# KiCad board q2v2.kicad_pcb (continued)
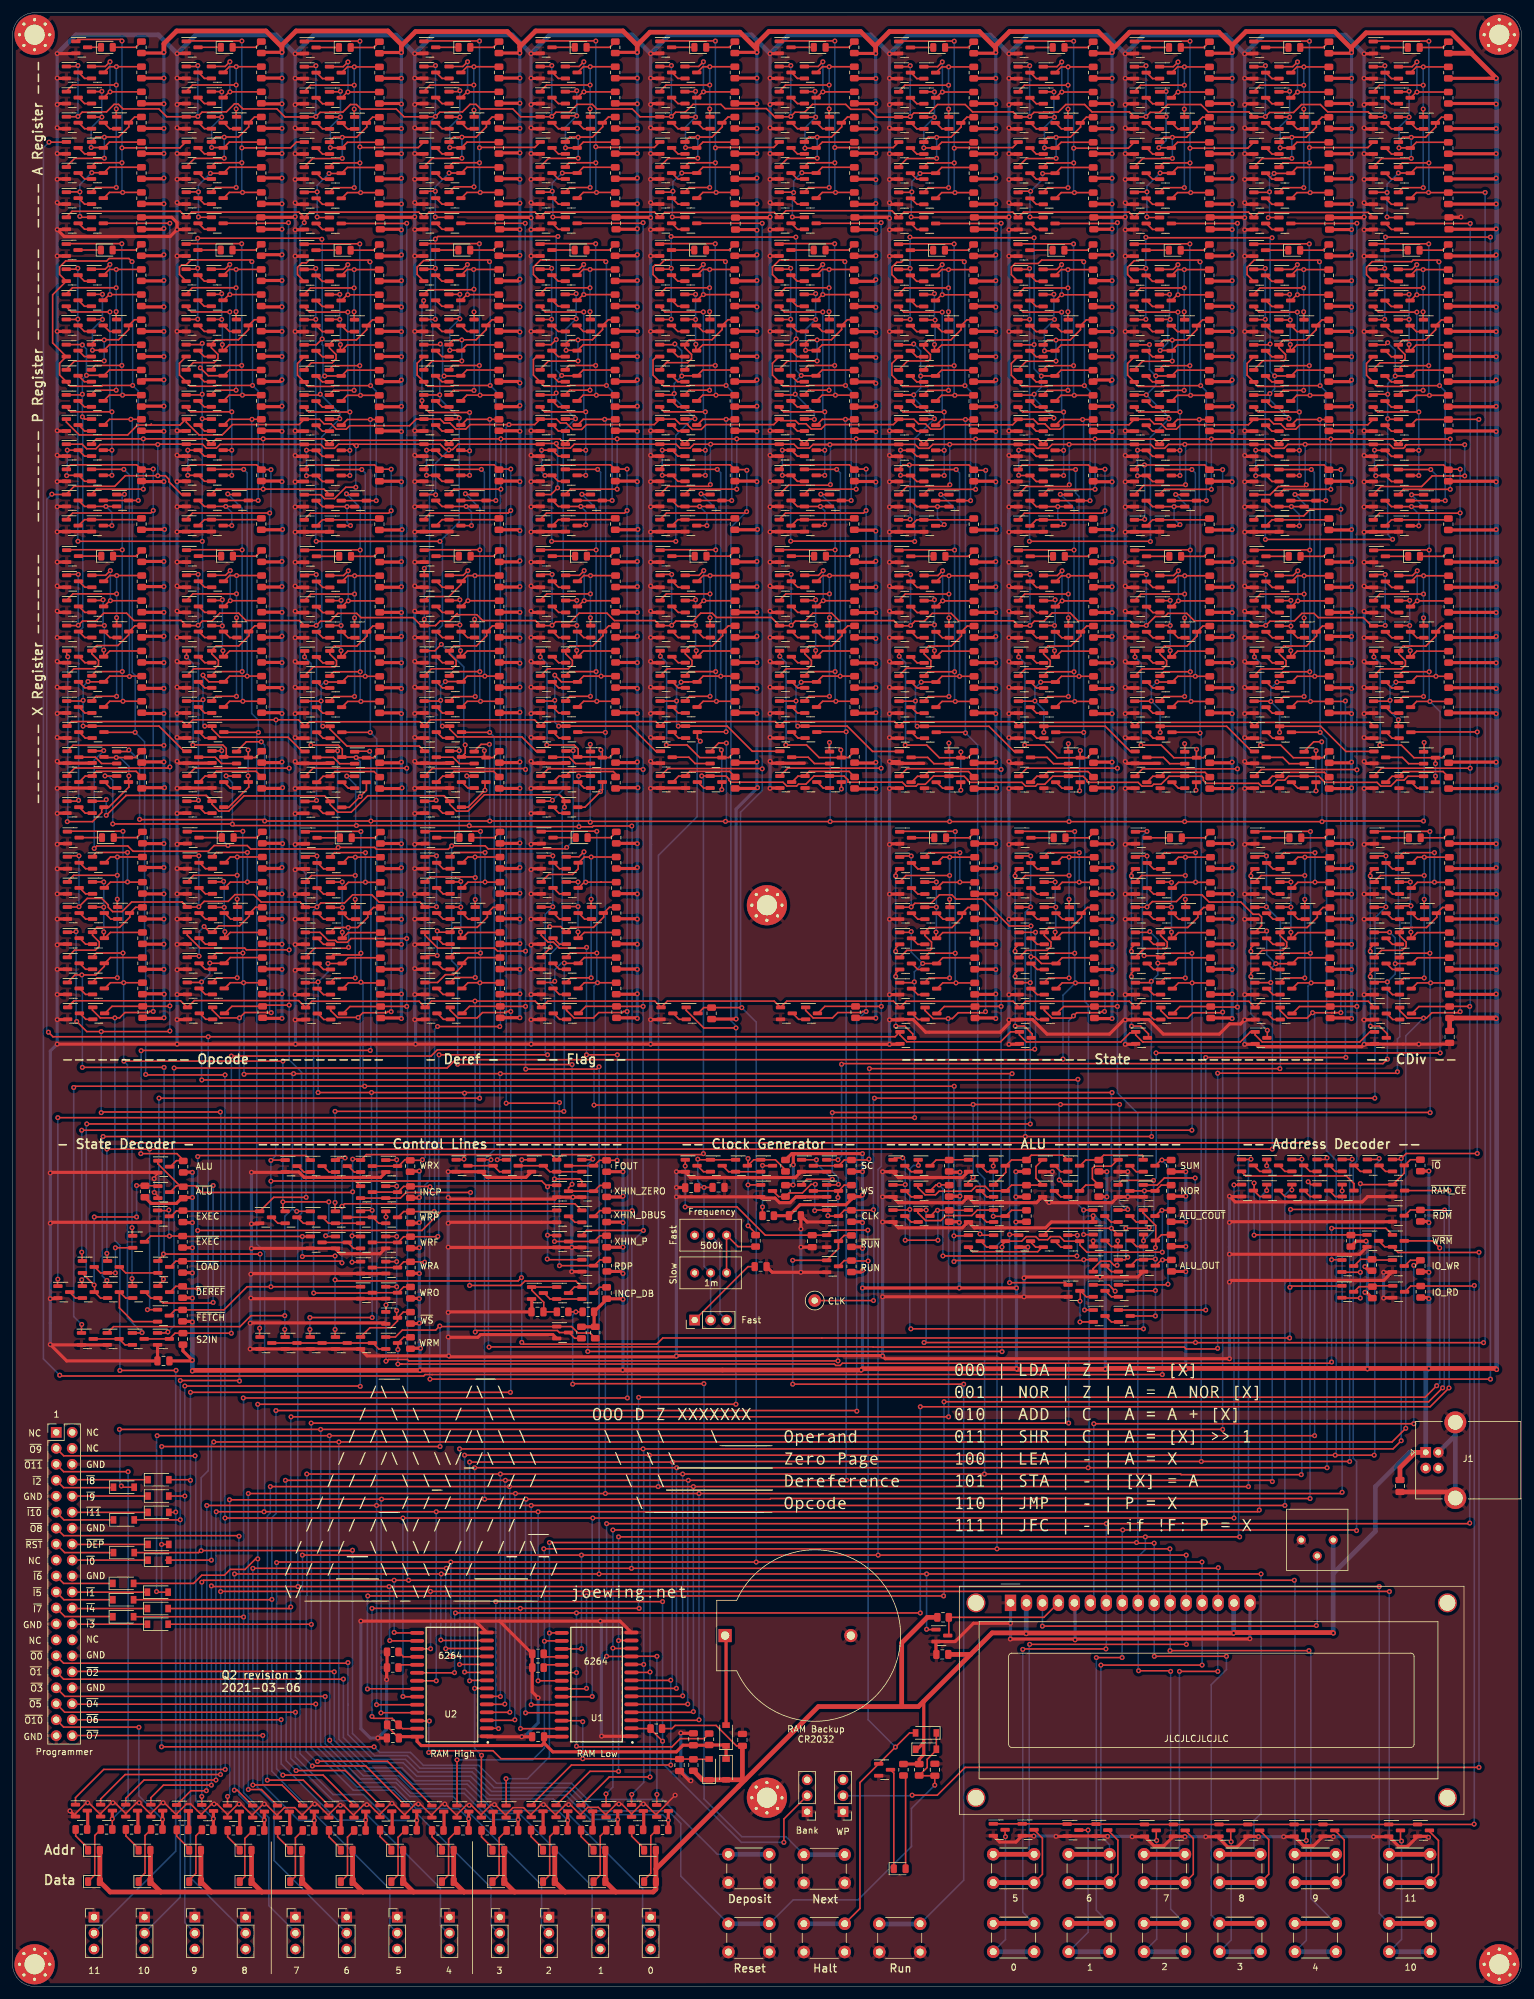
[diagram p0: board, top side]
## Routing (per net, layer and track width the routed paths; a pad name or vN(x,y) marks a point on that pad's centre or on a via; arc(x,y) is an arc through that point) (continued)
RDX_ABUS: length 405.6
  Top w0.25: 27.67,200.53 28.67,201.53 v1(41.9,201.53) 45.48,201.53 Q365.1 47.24,201.22 64.84,201.22 65.54,200.52 ; Q129.1 41.15,131.48 v1(41.1,131.43) ; 90.62,115.63 85.15,115.63 v1(85.05,115.73) ; Q84.3 25.85,107.64 33.61,107.64 37.3,111.33 v1(41.1,111.33) Q104.1 ; 65.47,200.52 66.47,201.52 83.04,201.52 84.04,200.52 84.76,201.25 102.34,201.25 103.06,200.52 103.79,201.25 121.34,201.25 122.06,200.52 122.79,201.25 140.31,201.25 Q273.1 141.79,201.22 159.34,201.22 Q446.1 160.69,201.12 177.94,201.12 Q645.1 179.19,201.12 196.94,201.12 Q825.1 198.19,201.12 215.94,201.12 Q942.1 ; 54.54,128.15 Q109.1 ; v1(85.1,119.53) 86.45,119.53 ; v1(41.1,128.13) 41.12,128.15 84.18,128.15 v1(85.1,127.23) 85.35,127.48 Q99.1 ; Q192.1 27.01,201.25 9.39,201.25 Q50.1
  Bottom w0.25: v1(41.9,201.53) 41.87,201.49 41.87,132.19 v1(41.1,131.43) v1(41.1,128.13) v1(41.1,111.33) ; v1(85.05,115.73) 85.1,115.78 v1(85.1,119.53) v1(85.1,127.23)
S0: length 281.4
  Top w0.25: 197.64,183.78 206.43,183.78 v1(206.46,183.76) ; 203.56,158.76 204.47,159.67 v1(206.57,159.67) R363.2 ; 201.56,163.71 202.25,164.39 v1(206.46,164.39) ; 19.05,119.43 19.05,120.68 v1(19,120.73) ; 19.05,111.43 19.05,112.58 v1(19,112.63) ; v1(19,134.23) v1(206.1,134.23)
  Bottom w0.25: v1(206.46,183.76) v1(206.46,164.39) 206.46,159.78 v1(206.57,159.67) 206.08,159.18 206.08,134.25 v1(206.1,134.23) ; v1(19,112.63) v1(19,120.73) v1(19,134.23)
S1: length 262
  Top w0.25: 182.56,163.71 182.27,164 v1(180,164) ; 184.56,158.76 185.47,159.67 v1(187.64,159.67) R280.2 ; v1(187.6,164.39) 183.31,164.39 Q666.1 ; v1(11,136.23) v1(187.6,136.23) ; 178.64,183.78 v1(180.46,183.78) ; v1(11,116.83) 11.05,116.78 11.05,115.43
  Bottom w0.25: v1(180.46,183.78) 179.73,183.06 179.73,164.26 v1(180,164) 180.05,163.95 ; v1(187.6,136.23) 187.64,136.27 v1(187.64,159.67) 187.64,164.35 v1(187.6,164.39) ; v1(11,116.83) v1(11,136.23)
S2: length 243.6
  Top w0.25: R199.2 v1(169.07,159.67) 166.97,159.67 166.06,158.76 ; 164.06,163.71 164.75,164.39 v1(168.96,164.39) ; 160.14,183.78 168.93,183.78 v1(168.96,183.76) ; v1(25.7,146.13) 69.13,146.13 70.45,147.45 167,147.45 v1(167.1,147.55) ; v1(24.7,104.13) 24.55,103.98 Q94.1
  Bottom w0.25: v1(168.96,183.76) v1(168.96,164.39) 168.96,159.78 v1(169.07,159.67) 167.1,157.7 v1(167.1,147.55) ; v1(24.7,104.13) 25.69,105.11 25.69,146.11 v1(25.7,146.13)
S2IN: length 207.9
  Top w0.25: v1(162.72,167.73) 162.71,167.71 Q475.1 ; v1(34.8,103.93) 34.79,103.94 R42.2 25.85,103.94 Q94.3 Q93.3 ; v1(162.6,149.13) 162.5,149.03 67.58,149.03 66.58,148.03 v1(34.8,148.03)
  Bottom w0.25: v1(34.8,103.93) v1(34.8,148.03) ; v1(162.6,149.13) 162.73,149.25 162.73,167.73 v1(162.72,167.73)
SC: length 127.5
  Top w0.25: v1(199.46,171.76) 199.41,171.71 197.56,171.71 ; v1(199.46,179.86) 197.71,179.86 ; v1(136.3,146.03) v1(201.6,146.03) ; v1(136.22,131.63) 136.09,131.49 R128.2 132.3,131.49 Q304.3 ; 127.45,130.58 131.45,130.58
  Bottom w0.25: v1(199.46,179.86) v1(199.46,171.76) 201.68,169.54 201.68,146.1 v1(201.6,146.03) ; v1(136.3,146.03) 136.3,131.7 v1(136.22,131.63)
WRA: length 542.4
  Top w0.25: 197.4,297.45 199.25,297.45 v1(199.3,297.5) 199.96,298.15 203.78,298.15 205.05,299.42 208.04,299.42 209.21,298.25 215.66,298.25 Q934.1 ; 178.4,297.45 180.25,297.45 v1(180.3,297.5) 180.97,298.17 182.46,298.17 182.51,298.22 182.55,298.22 183.75,299.42 189.04,299.42 190.21,298.25 196.66,298.25 Q817.1 ; 159.9,297.45 161.75,297.45 v1(161.8,297.5) 162.47,298.17 163.96,298.17 164.01,298.22 166.35,298.22 167.55,299.42 170.54,299.42 171.71,298.25 177.66,298.25 Q637.1 ; 216.4,297.45 218.25,297.45 v1(218.3,297.5) ; 121.9,297.47 123.75,297.47 v1(123.8,297.52) 124.47,298.2 125.96,298.2 126.01,298.25 126.05,298.25 127.25,299.45 132.54,299.45 133.32,298.66 136.19,298.66 137.44,297.41 142.34,297.41 ; 140.9,297.45 142.75,297.45 v1(142.8,297.5) 143.38,298.07 145.8,298.07 147.15,299.42 151.54,299.42 152.71,298.25 159.16,298.25 Q438.1 ; v1(218.3,305.6) 218.15,305.45 216.4,305.45 ; v1(10.4,305.63) 10.25,305.48 8.5,305.48 ; 197.4,305.45 199.15,305.45 v1(199.3,305.6) ; v1(65.55,115.23) 65.49,115.29 R51.2 62.21,115.29 61.3,114.38 57.3,114.38 ; v1(123.8,305.62) 123.65,305.47 121.9,305.47 ; v1(142.8,305.6) 142.65,305.45 140.9,305.45 ; 46.35,305.45 48.1,305.45 v1(48.25,305.6) ; 65.38,305.47 67.12,305.47 v1(67.28,305.62) ; v1(180.3,305.6) 180.15,305.45 178.4,305.45 ; Q1051.1 121.22,297.47 119.93,298.77 113.36,298.77 112.68,299.45 108.25,299.45 107.05,298.25 107.01,298.25 106.96,298.2 105.47,298.2 v1(104.8,297.52) 104.75,297.47 99.82,297.47 98.57,298.72 92.95,298.72 92.22,299.45 89.83,299.45 88.58,298.2 86.45,298.2 v1(85.78,297.52) 85.72,297.47 80.82,297.47 79.57,298.72 74.45,298.72 73.72,299.45 72.77,299.45 71.57,298.25 69.49,298.25 69.44,298.2 67.95,298.2 v1(67.28,297.52) 67.22,297.47 62.28,297.47 61.05,298.7 55.42,298.7 54.7,299.42 53.74,299.42 52.54,298.22 50.46,298.22 50.41,298.17 48.92,298.17 v1(48.25,297.5) 48.2,297.45 43.33,297.45 42.05,298.73 36.64,298.73 35.84,299.53 35.3,299.53 34.02,298.25 31.68,298.25 31.63,298.2 30.14,298.2 v1(29.47,297.53) 29.42,297.48 24.52,297.48 23.27,298.73 17.57,298.73 16.85,299.45 16.15,299.45 14.95,298.25 12.61,298.25 12.56,298.2 11.07,298.2 v1(10.4,297.53) 10.35,297.48 8.5,297.48 ; 27.57,305.48 29.32,305.48 v1(29.47,305.63) ; v1(85.78,305.62) 85.62,305.47 83.88,305.47 ; v1(161.8,305.6) 161.65,305.45 159.9,305.45 ; 102.9,305.47 104.65,305.47 v1(104.8,305.62)
  Bottom w0.25: v1(29.47,297.53) v1(29.47,305.63) ; v1(85.78,297.52) v1(85.78,305.62) ; v1(67.28,305.62) v1(67.28,297.52) 66.5,296.75 66.5,264.95 66.85,264.6 66.85,237.95 66.33,237.42 66.33,128.22 65.55,127.45 v1(65.55,115.23) ; v1(48.25,297.5) v1(48.25,305.6) ; v1(218.3,297.5) v1(218.3,305.6) ; v1(199.3,297.5) v1(199.3,305.6) ; v1(123.8,297.52) v1(123.8,305.62) ; v1(104.8,297.52) v1(104.8,305.62) ; v1(142.8,297.5) v1(142.8,305.6) ; v1(180.3,297.5) v1(180.3,305.6) ; v1(161.8,297.5) v1(161.8,305.6) ; v1(10.4,297.53) v1(10.4,305.63)
WRF: length 93
  Top w0.25: v1(85.94,171.78) 85.88,171.73 84.04,171.73 ; v1(85.94,179.88) 84.19,179.88 ; 57.3,118.38 61.3,118.38 62.21,119.29 R49.2 67.61,119.29 v1(67.65,119.33) ; v1(85.1,148.23) v1(67.85,148.23)
  Bottom w0.25: v1(85.94,179.88) v1(85.94,171.78) 84.72,170.57 84.72,148.6 v1(85.1,148.23) ; v1(67.65,119.33) 67.79,119.46 67.79,148.16 v1(67.85,148.23)
WRM: length 187.8
  Top w0.25: v1(61.3,99.03) 61.9,99.03 ; 61.9,99.03 61.57,99.03 ; 61.9,99.03 130.73,99.03 130.95,98.8 131.65,98.8 132,99.15 209.63,99.15 v1(209.82,99.35) ; v1(61.3,101.33) 61.3,102.38 62.21,103.29 R59.2 ; v1(209.83,120.63) 218.46,120.63 Q683.1 ; v1(209.82,115.63) 211.35,115.63
  Bottom w0.25: v1(61.3,101.33) v1(61.3,99.03) ; v1(209.83,120.63) 209.82,120.63 v1(209.82,115.63) v1(209.82,99.35)
WRO: length 182.8
  Top w0.25: 8.66,171.74 10.51,171.74 v1(10.56,171.79) 11.88,173.11 14.19,173.11 15.23,172.07 15.23,171.7 15.92,171.01 17.41,171.01 18.94,172.54 26.99,172.54 Q221.1 ; v1(10.56,179.89) 8.81,179.89 ; v1(29.63,179.89) 27.88,179.89 ; v1(67.44,171.78) 67.38,171.73 65.54,171.73 ; v1(67.44,179.88) 65.69,179.88 ; 46.51,171.71 48.36,171.71 v1(48.41,171.76) 49.04,172.38 52.8,172.38 54.1,173.68 57.15,173.68 58.32,172.51 64.82,172.51 Q593.1 ; v1(48.41,179.86) 46.66,179.86 ; 55.15,110.38 55.1,110.33 ; Q394.1 45.74,172.54 39.54,172.54 38.37,173.71 35.38,173.71 34.31,172.64 30.48,172.64 v1(29.63,171.79) 29.58,171.74 27.73,171.74 26.93,172.54 ; R39.2 62.21,111.29 61.3,110.38 57.3,110.38 ; v1(47.9,110.33) 57.19,110.33
  Bottom w0.25: v1(10.56,171.79) v1(10.56,179.89) ; v1(29.63,171.79) v1(29.63,179.89) ; v1(67.44,171.78) v1(67.44,179.88) ; v1(48.41,179.86) v1(48.41,171.76) 47.87,171.22 47.87,110.35 v1(47.9,110.33)
WRX: length 441.4
  Top w0.25: 8.55,216.52 10.4,216.52 v1(10.45,216.57) 11.12,217.24 13.25,217.24 14.5,218.49 18.13,218.49 19.3,217.33 26.81,217.33 27.62,216.52 29.47,216.52 v1(29.52,216.57) 30.19,217.24 31.72,217.24 32.97,218.49 35.97,218.49 37.14,217.32 45.63,217.32 Q380.1 ; v1(10.45,224.67) 8.7,224.67 ; v1(29.52,224.67) 27.77,224.67 ; v1(85.82,224.66) 84.07,224.66 ; 46.4,216.49 48.25,216.49 v1(48.3,216.54) 48.97,217.21 50.47,217.21 ; v1(48.3,224.64) 46.55,224.64 ; 50.47,217.21 50.52,217.26 ; 50.47,217.21 50.5,217.21 51.75,218.46 54.75,218.46 55.42,217.79 63.73,217.79 65.01,216.51 ; 216.45,216.49 218.3,216.49 v1(218.35,216.54) ; v1(218.35,224.64) 216.6,224.64 ; v1(123.85,224.66) 122.1,224.66 ; 121.95,216.51 123.8,216.51 v1(123.85,216.56) 124.52,217.24 126.05,217.24 127.3,218.49 130.3,218.49 131.47,217.31 140.19,217.31 Q286.1 ; v1(104.85,224.66) 103.1,224.66 ; 102.95,216.51 104.8,216.51 v1(104.85,216.56) 105.52,217.24 108.21,217.24 109.46,218.49 111.3,218.49 111.97,217.81 120.71,217.81 Q1072.1 ; 159.95,216.49 161.8,216.49 v1(161.85,216.54) 162.54,217.23 164.06,217.23 165.36,218.53 168.23,218.53 169.47,217.29 177.71,217.29 Q658.1 ; 197.45,216.49 199.3,216.49 v1(199.35,216.54) 200.02,217.21 201.52,217.21 201.57,217.26 203.9,217.26 205.1,218.46 207.03,218.46 207.71,217.79 214.88,217.79 216.18,216.49 ; 140.95,216.49 142.8,216.49 v1(142.85,216.54) 143.52,217.21 145.05,217.21 146.3,218.46 149.3,218.46 150.47,217.29 159.21,217.29 Q459.1 ; v1(199.35,224.64) 197.6,224.64 ; 178.45,216.49 180.3,216.49 v1(180.35,216.54) 181.77,217.96 183.3,217.96 183.8,218.46 186.8,218.46 187.97,217.29 196.71,217.29 Q838.1 ; v1(161.85,224.64) 160.1,224.64 ; v1(142.85,224.64) 141.1,224.64 ; v1(180.35,224.64) 178.6,224.64 ; v1(65.2,131.53) 65.11,131.44 R55.2 ; 65.42,216.51 67.27,216.51 68,217.24 69.52,217.24 70.74,218.45 ; 57.4,130.53 61.4,130.53 62.41,131.54 63.3,131.54 ; 145.02,217.21 145.16,217.35 ; 107.02,217.24 107.07,217.29 ; 83.93,216.51 85.77,216.51 v1(85.82,216.56) 86.4,217.14 88.77,217.14 90.12,218.49 94.56,218.49 95.74,217.31 102.21,217.31 Q1008.1 ; v1(65.5,225.63) 65.5,224.52 ; 126.02,217.24 126.07,217.29 ; Q579.1 65.49,217.51 v1(65.5,217.53) ; Q759.1 83.19,217.31 74.79,217.31 73.85,218.25 70.54,218.25 ; 31.68,217.24 31.73,217.29
  Bottom w0.25: v1(10.45,216.57) v1(10.45,224.67) ; v1(29.52,216.57) v1(29.52,224.67) ; v1(85.82,216.56) v1(85.82,224.66) ; v1(48.3,216.54) v1(48.3,224.64) ; v1(142.85,216.54) v1(142.85,224.64) ; v1(161.85,216.54) v1(161.85,224.64) ; v1(199.35,216.54) v1(199.35,224.64) ; v1(104.85,216.56) v1(104.85,224.66) ; v1(218.35,216.54) v1(218.35,224.64) ; v1(123.85,216.56) v1(123.85,224.66) ; v1(180.35,216.54) v1(180.35,224.64) ; v1(65.5,225.63) v1(65.5,217.53) 65.5,213.43 65.63,213.3 65.63,131.95 v1(65.2,131.53)
WS: length 130.6
  Top w0.25: 131.25,99.48 v1(131.3,99.53) 63.02,99.53 62.8,99.75 59.82,99.75 59.55,99.48 ; Q311.3 132.3,127.49 R133.2 ; v1(59.4,99.48) 59.65,99.48 ; v1(59.4,122.43) 59.36,122.46 Q121.1 ; 131.45,126.58 127.45,126.58 ; v1(131.3,125.53) 131.3,126.49 ; v1(59.4,108.43) 59.4,107.36
  Bottom w0.25: v1(59.4,99.48) v1(59.4,108.43) v1(59.4,122.43) ; v1(131.3,99.53) v1(131.3,125.53)
X0: length 278.1
  Top w0.25: v1(225.35,228.54) 225.32,228.56 216.53,228.56 ; v1(225.35,209.17) 221.14,209.17 220.45,208.49 ; R419.2 v1(225.46,204.45) 223.36,204.45 222.45,203.54 ; Q482.1 144.06,130.66 v1(144.1,130.63) ; v1(142.9,104.63) v1(179.9,104.63) ; Q480.1 142.63,123.53 v1(142.72,123.62) ; v1(222.55,237.33) 222.57,237.35 Q901.1 ; Q501.1 179.91,118.64 v1(179.9,118.63) ; v1(181.5,128.23) 181.47,128.25 176.53,128.25 175.8,127.53 ; v1(181.9,148.53) v1(227.1,148.53)
  Bottom w0.25: v1(179.9,104.63) v1(179.9,118.63) 181.53,120.25 181.53,127.3 ; v1(142.72,123.62) 142.72,104.8 v1(142.9,104.63) ; v1(142.72,123.62) 142.72,130.05 143.3,130.63 v1(144.1,130.63) ; v1(142.72,123.62) 142.8,123.7 ; v1(181.9,148.53) 181.93,148.5 181.93,128.65 v1(181.5,128.23) 181.5,127.33 181.53,127.3 ; 181.53,127.3 181.53,127.6 ; v1(227.1,148.53) 227.08,148.55 227.08,202.84 v1(225.46,204.45) 225.35,204.56 v1(225.35,209.17) v1(225.35,228.54) 225.35,234.53 v1(222.55,237.33)
X1: length 191.5
  Top w0.25: 201.45,208.49 202.14,209.17 v1(206.35,209.17) ; 203.45,203.54 204.36,204.45 v1(206.46,204.45) R356.2 211.95,204.45 v1(212.02,204.53) ; v1(206.35,228.54) 206.32,228.56 197.53,228.56 ; v1(189.8,147.8) v1(212.1,147.8) ; v1(204,237.38) 204.03,237.35 205.4,237.35 ; Q504.1 v1(189.8,107.63)
  Bottom w0.25: v1(206.46,204.45) 206.35,204.56 v1(206.35,209.17) v1(206.35,228.54) 206.35,235.03 v1(204,237.38) ; v1(189.8,107.63) v1(189.8,147.8) ; v1(212.02,204.53) 212.02,147.88 v1(212.1,147.8)
XHIN_DBUS: length 199.5
  Top w0.25: Q186.1 33.99,192.58 v1(33.97,192.6) ; v1(98.55,123.43) 98.54,123.44 R45.2 93.41,123.44 92.5,122.53 ; 73.38,192.57 72.27,192.57 v1(72.25,192.59) ; v1(98.5,184.63) 92.37,184.63 92.25,184.5 90.13,184.5 v1(90.1,184.53) 72.79,184.53 v1(72.65,184.68) 72.62,184.7 v1(54.7,184.7) 54.7,184.7 35.19,184.7 v1(34.97,184.93) 34.93,184.96 v1(15.94,184.96) ; v1(53.15,192.57) 54.33,192.57 ; v1(90.05,192.57) Q738.1 ; v1(14.7,192.6) 14.72,192.58 Q44.1
  Bottom w0.25: v1(72.25,192.59) 72.65,192.19 v1(72.65,184.68) ; v1(14.7,192.6) 15.23,192.6 15.94,191.89 v1(15.94,184.96) ; v1(53.15,192.57) 54.57,191.14 54.57,184.83 v1(54.7,184.7) ; 35,184.96 v1(34.97,184.93) 34.97,191.53 33.97,192.53 v1(33.97,192.6) ; v1(98.5,184.63) 98.55,184.58 v1(98.55,123.43) ; v1(90.1,184.53) 90.11,184.54 90.11,184.87 90.05,184.93 v1(90.05,192.57) 90.12,192.57
XHIN_P: length 175.9
  Top w0.25: 69.48,188.57 68.6,189.45 ; v1(14.9,186.33) 18.03,189.45 18.03,189.5 30.81,189.5 Q188.1 31.73,188.09 32.82,187 34.39,187 36.81,189.42 49.64,189.42 Q361.1 50.51,188.06 51.75,186.83 53.87,186.83 56.49,189.45 68.66,189.45 Q560.1 69.54,188.08 70.62,187 72.46,187 75.06,189.6 86.96,189.6 86.98,189.63 Q740.1 87.8,188.33 v1(87.8,187.63) ; 92.5,118.53 93.41,119.44 R44.2 ; Q100.1 90.56,128.16 90.25,128.48 v1(86.2,128.48) ; 12.6,188.58 14.65,188.58 v1(14.9,188.83) ; v1(86.2,118.53) Q102.3 Q103.3 ; 87.98,188.57 87.1,189.45 ; 31.67,188.58 30.79,189.45
  Bottom w0.25: v1(87.8,187.63) 87.42,187.25 87.42,166.13 85.52,164.23 85.52,159.58 86.2,158.9 v1(86.2,128.48) v1(86.2,118.53) ; v1(14.9,186.33) v1(14.9,188.83)
XHIN_ZERO: length 243.1
  Top w0.25: v1(89.18,196.62) 88.03,196.62 ; v1(14.5,196.63) 14.45,196.58 Q48.1 ; Q562.1 71,196.57 v1(71.05,196.63) ; Q190.1 33.22,196.58 v1(33.27,196.63) ; 88.5,126.53 92.5,126.53 93.41,127.44 R43.2 ; v1(70.8,146.73) 70.85,146.68 v1(89,146.68) ; v1(89,127.63) 88.44,127.06 Q99.3 ; v1(51.7,196.6) 51.64,196.55 Q363.1 ; v1(88.15,181.23) 87.92,181 75.66,181 75.18,181.48 v1(69.85,181.48) 69.3,180.93 57.9,180.93 57.6,181.23 v1(51.8,181.23) 51.54,180.97 37.88,180.97 37.32,181.53 v1(34.27,181.53) 32.07,181.53 31.15,180.61 19.17,180.61 18.33,181.45 13.39,181.45 v1(12.99,181.05)
  Bottom w0.25: v1(34.27,181.53) 33.24,182.55 33.24,196.6 v1(33.27,196.63) ; v1(89.18,196.62) 89.18,182.25 v1(88.15,181.23) ; v1(71.05,196.63) 71.05,182.68 v1(69.85,181.48) 69.85,163.2 70.8,162.25 v1(70.8,146.73) ; v1(14.5,196.63) 12.99,195.11 v1(12.99,181.05) 13,181.07 ; v1(89,127.63) v1(89,146.68) ; v1(51.8,181.23) 51.7,181.33 v1(51.7,196.6)
XIN_SHIFT: length 479.8
  Top w0.25: 27.3,131.34 26.14,132.5 v1(20.4,132.5) ; Q992.1 112.32,197.83 v1(113.55,197.83) ; 205.4,196.45 206.98,198.03 v1(208.25,198.03) ; v1(20.45,148.88) 20.5,148.93 v1(56.9,148.93) ; v1(148.95,197.83) 148.9,197.78 148.9,196.45 ; 113.45,185.33 v1(113.41,185.37) 92.04,185.37 v1(91.9,185.23) 91.7,185.43 v1(75.9,185.43) ; v1(20.2,185.69) 20.23,185.65 39.87,185.65 v1(40.1,185.43) v1(57,185.43) v1(75.9,185.43) ; v1(75.9,185.43) 76.1,185.23 ; Q189.1 37.18,198.03 v1(39.57,198.03) ; v1(91.9,197.63) 91.9,196.51 ; 129.9,196.47 129.9,197.88 v1(129.95,197.93) ; 16.5,196.48 18.25,196.48 v1(18.5,196.73) ; 167.9,196.45 167.9,197.68 v1(167.95,197.73) ; 73.38,196.47 74.53,197.63 v1(75.85,197.63) ; Q822.1 205.92,196.9 205.92,196.96 ; v1(186.45,197.73) 186.45,196.5 ; v1(56.8,196.53) 54.49,196.53 ; 113.44,185.34 v1(130.06,185.34) v1(149.06,185.34) v1(168.06,185.34) 168.07,185.33 v1(186.45,185.33) v1(208.3,185.33) 208.4,185.43 v1(224.45,185.43) 224.35,185.33 ; v1(224.55,197.93) 224.55,196.6 ; 25.15,130.48 26.06,131.39 27.05,131.39
  Bottom w0.25: v1(186.45,197.73) 186.56,197.62 186.56,185.44 v1(186.45,185.33) ; v1(75.85,197.63) 75.9,197.58 v1(75.9,185.43) ; v1(129.95,197.93) 130.06,197.82 v1(130.06,185.34) 130.05,185.33 ; v1(91.9,185.23) v1(91.9,197.63) ; v1(208.3,185.33) 208.3,197.98 v1(208.25,198.03) 208.08,197.85 ; v1(224.55,197.93) 224.56,197.92 224.56,185.54 v1(224.45,185.43) ; v1(148.95,197.83) 149.06,197.72 v1(149.06,185.34) 149.05,185.33 ; v1(167.95,197.73) 168.06,197.62 v1(168.06,185.34) 168.05,185.33 ; v1(20.2,185.69) 20.2,195.03 v1(18.5,196.73) ; v1(56.9,148.93) 57,149.03 v1(57,185.43) 57,196.33 v1(56.8,196.53) ; v1(113.41,185.37) 113.55,185.51 v1(113.55,197.83) ; v1(20.45,148.88) 20.45,132.55 v1(20.4,132.5) ; v1(40.1,185.43) 40.1,197.49 v1(39.57,198.03)
XLIN_DBUS: length 294.9
  Top w0.25: 148.88,192.57 146.5,192.57 145.2,191.27 144.02,191.27 143.72,190.97 142.15,190.97 141.53,191.6 132.93,191.6 132.9,191.63 132.9,191.97 132.3,192.57 Q1054.1 127.48,192.57 126.2,191.3 125.02,191.3 124.72,191 123.15,191 122.55,191.6 114.26,191.6 113.92,191.93 113.92,192.15 113.5,192.57 110.9,192.57 ; v1(109.62,192.59) 110.88,192.59 ; v1(54,115.23) 55.2,115.23 ; 148.9,192.55 151.38,192.55 151.92,192 151.92,191.91 152.26,191.57 160.55,191.57 161.15,190.97 162.72,190.97 163.02,191.27 164.2,191.27 165.47,192.55 Q441.1 ; 167.9,192.55 170.3,192.55 170.9,191.94 170.9,191.73 171.06,191.57 179.05,191.57 179.65,190.97 181.22,190.97 181.52,191.27 182.7,191.27 183.98,192.55 Q640.1 189.18,192.55 189.42,192.3 189.42,191.91 189.91,191.42 198.2,191.42 198.65,190.97 200.22,190.97 201.17,191.92 202.35,191.92 202.97,192.55 Q820.1 ; 55.4,131.48 56.28,132.35 85.67,132.35 86.5,131.53 ; 25.05,126.38 26.06,127.39 29.04,127.39 30.1,126.33 54,126.33 v1(54.1,126.43) ; 205.4,192.55 207.8,192.55 208.4,191.94 208.4,191.93 208.76,191.57 217.05,191.57 217.65,190.97 219.22,190.97 220.17,191.92 221.35,191.92 221.97,192.55 Q937.1 ; v1(54,119.43) 55.2,119.43 ; 26.76,127.24 23.11,130.88 Q98.1 ; Q125.1 87.39,132.35 109.75,132.35 v1(109.9,132.5) ; v1(54.1,131.63) 55.25,131.63
  Bottom w0.25: v1(54.1,131.63) v1(54.1,126.43) 54.1,119.53 v1(54,119.43) v1(54,115.23) ; v1(109.62,192.59) 109.9,192.32 v1(109.9,132.5)
~{ALU_COUT}: length 153.3
  Top w0.25: Q124.1 92.2,131.53 v1(92.3,131.63) ; R214.2 v1(182.84,123.49) 182.71,123.49 181.8,122.58 ; v1(182.9,116.83) 170.9,116.83 169.8,117.93 169.8,118.58 167.31,118.58 166.59,119.3 165.09,119.3 165.09,119.24 164.65,118.8 163.28,118.8 162.78,119.3 161.25,119.3 160.53,118.58 158,118.58 157.4,117.98 v1(157.4,117.63) ; v1(157.4,101) 157.38,101.03 v1(91.5,101.03)
  Bottom w0.25: v1(92.3,131.63) 91.5,130.83 v1(91.5,101.03) ; 157.4,100.73 v1(157.4,117.63) ; v1(182.84,123.49) 182.9,123.43 v1(182.9,116.83)
~{CDIV}: length 139
  Top w0.25: 222.56,162.76 223.47,163.67 R431.2 ; v1(218.7,159.83) 216.74,159.83 ; v1(131.3,131.53) Q304.1 ; v1(219.95,162.73) 219.98,162.76 Q965.3 ; v1(218.7,147.53) 218,146.83 131.97,146.83 v1(131.88,146.73) ; v1(219.05,167.73) 216.64,167.73
  Bottom w0.25: v1(219.95,162.73) 219.95,166.83 v1(219.05,167.73) ; v1(219.95,162.73) 219.95,161.08 v1(218.7,159.83) v1(218.7,147.53) ; v1(219.95,162.73) 219.77,162.73 ; v1(131.3,131.53) 131.88,132.1 v1(131.88,146.73)
~{DBUS8}: length 21.1
  Top w0.25: 148.94,56 R374.2 164.07,58.73 DS1.4
~{DEP_SW}: length 251.1
  Top w0.25: R371.2 91.86,103.96 89.96,103.96 88.94,104.99 86.5,104.99 ; Q855.1 68.04,104.99 v1(67.95,105.08) 67.3,104.43 62,104.43 60.9,103.33 Q134.1 ; v1(23.72,85.9) v1(68,85.9) ; v1(23.7,38.13) v1(57.5,38.13) ; D78.2 v1(23.7,70.33)
  Bottom w0.25: v1(68,85.9) 68,105.03 v1(67.95,105.08) ; v1(23.7,38.13) v1(23.7,70.33) 23.7,85.88 v1(23.72,85.9) ; SW6.1 112.1,21.03 103.37,29.75 91.47,29.75 88.9,32.33 77,32.33 74.15,35.18 65.35,35.18 63.3,37.23 58.4,37.23 v1(57.5,38.13)
  Bottom w0.75: SW6.1 SW6.1
~{DOUT0}: length 118.2
  Top w0.25: v1(53.35,51.53) 53.25,51.42 8.12,51.42 J2.29
  Top w0.5: R396.2 104.31,27.83
  Bottom w0.25: 53.35,44.78 53.35,45.03 ; 53.35,44.78 53.35,40.08 57.3,36.13 62.5,36.13 64.5,34.13 73.1,34.13 76.2,31.03 88.3,31.03 92,27.33 103.43,27.33 v1(104.31,26.44) ; 53.35,44.78 v1(53.35,51.53)
~{DOUT1}: length 107.5
  Top w0.25: J2.31 8.12,48.88 52.61,48.88 v1(52.63,48.9) 52.6,48.93
  Top w0.5: R392.2 96.26,27.78
  Bottom w0.25: v1(52.63,48.9) 52.63,39.6 56.65,35.58 62.15,35.58 64.3,33.43 72.9,33.43 75.9,30.43 88.02,30.43 91.89,26.56 v1(96.26,26.56)
~{DOUT2}: length 97.9
  Top w0.25: 9.55,50.13 51.1,50.13 v1(51.18,50.05)
  Top w0.5: R388.2 88.3,27.78
  Bottom w0.25: v1(88.3,26.43) 86.75,27.98 76.53,27.98 72.33,32.18 63.65,32.18 61.6,34.23 56.1,34.23 51.18,39.15 v1(51.18,50.05)
~{DOUT3}: length 89.5
  Top w0.25: v1(49.72,46.13) 49.7,46.15 8.31,46.15 J2.33
  Top w0.5: R384.2 80.42,27.73
  Bottom w0.25: v1(49.72,46.13) 49.72,38.6 55.3,33.03 61.04,33.03 63.34,30.73 71.82,30.73 76,26.55 v1(80.42,26.55)
~{DOUT4}: length 77.4
  Top w0.25: 9.56,44.9 48.2,44.9 v1(48.22,44.93)
  Top w0.5: R380.2 72.55,27.73
  Bottom w0.25: v1(72.55,26.67) 70.93,28.3 64.2,28.3 60.78,31.73 54.8,31.73 48.22,38.3 v1(48.22,44.93)
~{DOUT5}: length 72.1
  Top w0.25: J2.35 8.29,43.63 v1(45,43.63)
  Top w0.5: R376.2 64.29,27.78
  Bottom w0.25: v1(45,43.63) 45,36.53 51,30.53 55.82,30.53 59.93,26.42 v1(64.29,26.42)
~{DOUT6}: length 62
  Top w0.25: v1(42.73,42.45) 42.7,42.43 9.49,42.43 ; R398.2 v1(56.16,26.46)
  Top w0.5: Q892.3 56.19,24.85
  Bottom w0.25: v1(56.16,26.46) 51.69,26.46 42.73,35.42 v1(42.73,42.45)
~{DOUT7}: length 51.6
  Top w0.25: 9.51,39.93 v1(39.8,39.93)
  Top w0.5: R394.2 47.99,27.73
  Bottom w0.25: v1(47.99,26.42) 45.51,26.42 39.8,32.13 v1(39.8,39.93)
~{DOUT8}: length 79.4
  Top w0.25: v1(36.03,71.63) 35.93,71.73 8.13,71.73 J2.13
  Top w0.5: R390.2 40.04,27.73
  Bottom w0.25: v1(36.03,71.63) 36,71.6 36,66 36.03,65.97 36.03,30.5 v1(40.04,26.48)
~{DOUT9}: length 84.4
  Top w0.25: J2.3 8.13,84.43 v1(29.03,84.43)
  Top w0.5: R386.2 31.94,27.83
  Bottom w0.25: v1(31.94,26.68) 29.15,29.48 29.15,84.3 v1(29.03,84.43)
~{DOUT10}: length 33.2
  Top w0.25: 20.07,41.26 8.12,41.26 J2.37 ; 20,41.33 v1(20.1,41.23) ; 23.85,26.87 v1(23.85,26.57)
  Top w0.5: R382.2 23.85,27.88
  Bottom w0.25: v1(23.85,26.57) 20.1,30.33 v1(20.1,41.23)
~{DOUT11}: length 71.1
  Top w0.25: R378.2 v1(15.86,26.66) ; J2.5 8.12,81.9 v1(18.37,81.9)
  Top w0.5: v1(15.86,26.66) 15.86,27.89
  Bottom w0.25: v1(18.37,81.9) 18.37,29.18 v1(15.86,26.66)
~{F}: length 90.6
  Top w0.25: 90.04,162.78 90.95,163.69 R332.2 ; 51.3,123.33 v1(51.3,124.73) ; v1(86.25,159.93) 86.06,159.73 Q764.1 ; v1(87.77,162.83) 87.82,162.78 Q767.3 ; v1(51.3,139.23) v1(87.7,139.23)
  Bottom w0.25: v1(51.3,124.73) v1(51.3,139.23) ; v1(87.7,139.23) 87.77,139.29 v1(87.77,162.83) 87.31,162.83 86.25,161.77 v1(86.25,159.93)
~{INCP_SW}: length 126.8
  Top w0.25: v1(89.1,95.83) 89.17,95.9 v1(109.97,95.9) ; 90.64,107.33 v1(89.6,107.33) 88.46,107.33
  Bottom w0.25: v1(89.1,95.83) 89.1,106.73 ; 89.1,106.83 v1(89.6,107.33) ; SW8.1 123.02,23.83 116,23.83 110,29.83 110,95.88 v1(109.97,95.9)
  Bottom w0.75: SW8.1 SW8.1
~{IO}: length 36
  Top w0.25: v1(214.4,127.73) 214.55,127.58 Q684.1 221.39,129.4 Q679.3 ; 221.45,130.63 222.36,131.54 R287.2 ; v1(214.4,109.53) 211.45,109.53 ; v1(214.4,113.63) 211.45,113.63
  Bottom w0.25: v1(214.4,109.53) v1(214.4,113.63) v1(214.4,127.73)
~{O0}: length 269.4
  Top w0.25: 52.51,162.76 53.42,163.67 R168.2 ; 70.5,131.53 71.7,131.53 v1(71.8,131.63) ; v1(174.9,142.23) 72,142.23 v1(71.9,142.13) 71.8,142.23 v1(57.1,142.23) v1(48.6,142.23) ; Q508.1 174.4,111.63 v1(175.4,110.63) ; Q388.3 v1(50.18,162.76) 50.15,162.73 ; 175.8,119.63 v1(174.8,120.63) 165.06,120.63 Q499.1 ; v1(57.2,106.43) v1(47.3,106.43) ; Q385.1 48.48,159.71 v1(48.6,159.83) ; v1(57.2,123.48) 55.45,123.48 ; v1(47.3,104.53) 47.3,103.33
  Bottom w0.25: v1(57.2,106.43) v1(57.2,123.48) 57.1,123.58 v1(57.1,142.23) ; v1(71.8,131.63) 71.9,131.73 v1(71.9,142.13) ; v1(47.3,106.43) v1(47.3,104.53) ; v1(48.6,142.23) v1(48.6,159.83) 50.18,161.41 v1(50.18,162.76) ; v1(174.9,142.23) 174.8,142.13 v1(174.8,120.63) 174.8,111.13 175.31,110.63 v1(175.4,110.63)
~{O1}: length 197.5
  Top w0.25: 33.73,162.79 34.64,163.7 R90.2 ; v1(30.07,159.83) 29.98,159.74 Q212.1 ; 171.8,123.53 v1(170.37,123.53) ; v1(170.37,119.63) 171.85,119.63 ; v1(30.1,144.23) 169.38,144.23 v1(169.47,144.33) ; v1(31.37,162.83) 31.41,162.79 Q215.3
  Bottom w0.25: v1(169.47,144.33) 169.47,124.43 v1(170.37,123.53) v1(170.37,119.63) ; v1(31.37,162.83) 31.37,161.13 v1(30.07,159.83) 30.07,144.26 v1(30.1,144.23)
~{O2}: length 101.4
  Top w0.25: 14.66,162.79 15.57,163.7 R31.2 ; Q73.3 14.6,162.3 13.23,160.94 v1(11.01,160.94) 9.92,160.94 Q70.1 ; v1(39.3,104.73) 39.3,103.33 ; v1(39.37,116.53) v1(24,116.53) 24,116.38 23.05,115.43 ; v1(24.1,146.23) v1(11.1,146.23)
  Bottom w0.25: v1(11.01,160.94) 11.1,160.85 v1(11.1,146.23) ; v1(24,116.53) 24.1,116.63 v1(24.1,146.23) ; v1(39.37,116.53) 39.37,104.8 v1(39.3,104.73)
~{RAM_CE}: length 291.7
  Top w0.25: v1(89.7,49.93) 87.38,49.93 ; R293.2 109.99,39.43 106.2,39.43 104.9,38.13 89.8,38.13 v1(89.7,38.23) ; Q684.3 v1(228.5,126.63) ; v1(144.4,59.43) v1(89.7,59.43) v1(70.45,59.43) ; U2.20 70.28,49.9 v1(70.3,49.93) ; v1(228.5,95.23) 225.5,92.23 v1(144.4,92.23) 144.47,92.3